# Allegro board CATALYSTK_260108.brd (continued)
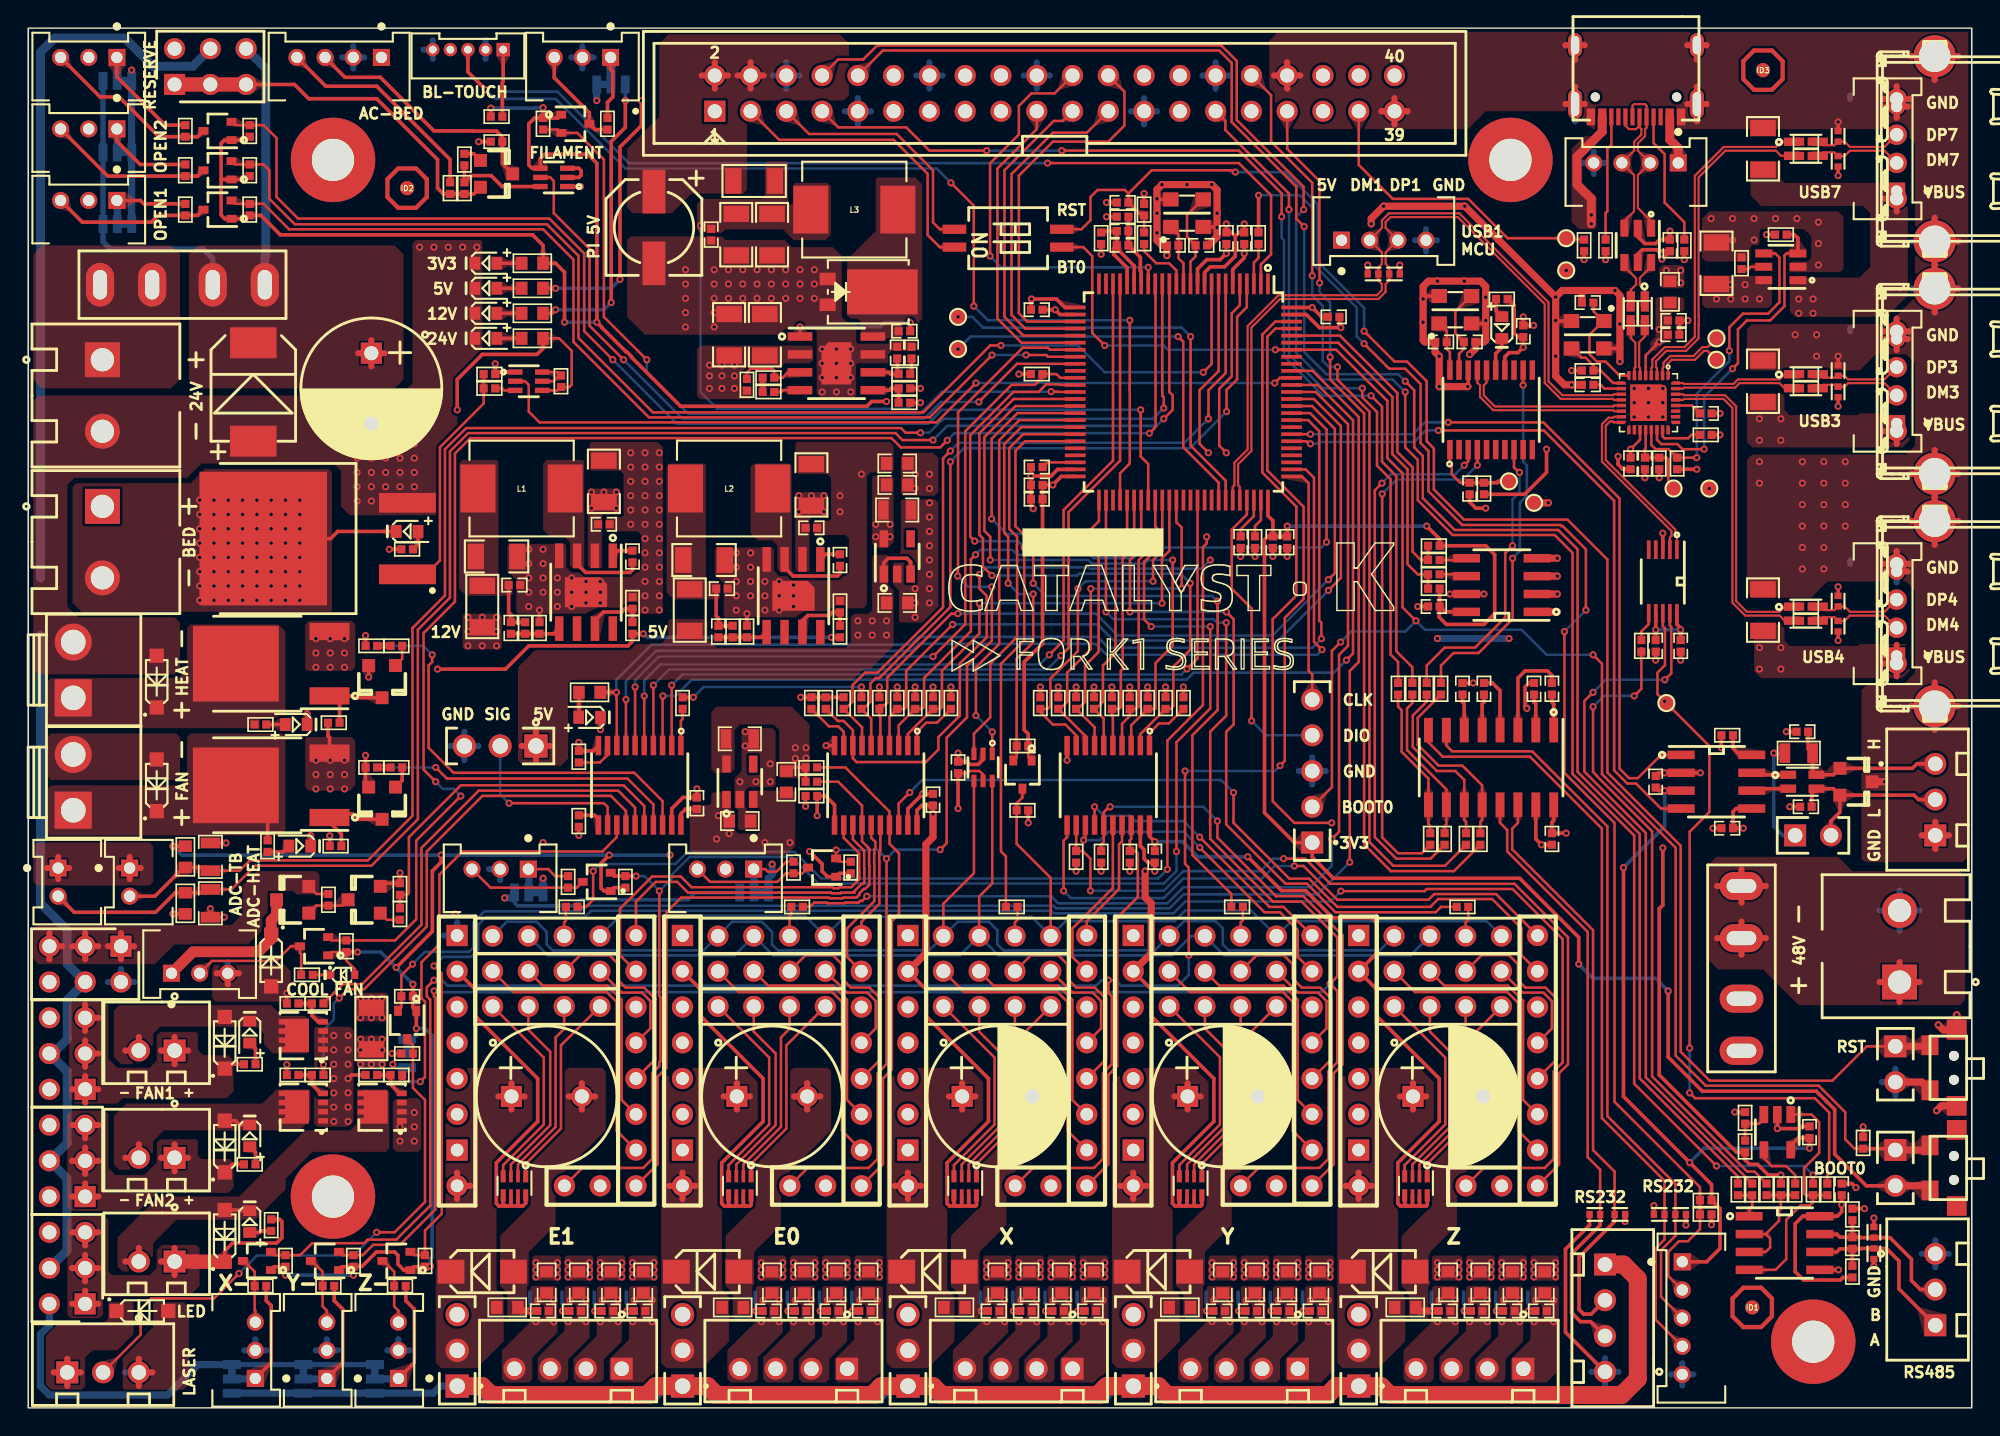
[diagram p0: board, top side]
## Routing (per net, layer and track width the routed paths; a pad name or vN(x,y) marks a point on that pad's centre or on a via; arc(x,y) is an arc through that point) (continued)
  vias: v1(21.7,26.44) v1(21.7,25.42) v1(21.7,24.41) v1(21.7,23.39) v1(21.7,22.37) v1(21.7,21.36) v1(21.7,20.34) v1(22.72,26.44) v1(22.72,25.42) v1(22.72,24.41) v1(22.72,22.37) v1(22.72,21.36) v1(22.72,20.34) v1(23.35,68.48) v1(23.35,67.46) v1(23.35,66.44) v1(23.35,65.43) v1(23.35,64.41) v1(24.37,68.48) v1(24.37,67.46) v1(24.37,66.44) v1(24.37,65.43) v1(24.37,64.41) v1(25.38,68.48) v1(25.38,67.46) v1(25.38,66.44) v1(25.38,65.43) v1(26.4,69.49) v1(26.4,68.48) v1(26.4,67.46) v1(26.4,66.44) v1(26.4,65.43) v1(26.4,19.96) v1(26.4,18.95) v1(27.41,68.48) v1(27.41,67.46) v1(27.41,66.44) v1(27.41,65.43) v1(27.41,20.98) v1(27.41,19.96) v1(27.41,18.95) v1(27.8,82.45) v1(28.81,82.45) v1(29.83,82.45) v1(30.34,35.07) v1(30.84,82.45) v1(31.86,82.45) v1(35.54,60.98) v1(35.54,59.97) v1(35.54,58.95) v1(35.54,57.93) v1(35.54,56.92) v1(36.56,60.98) v1(36.56,59.97) v1(36.56,58.95) v1(36.56,57.93) v1(37.57,58.95) v1(37.57,57.93) v1(37.57,56.92) v1(38.59,58.95) v1(38.59,57.93) v1(38.59,56.92) v1(39.61,58.7) v1(39.61,57.93) v1(39.61,57.17) v1(40.62,58.7) v1(40.62,57.93) v1(40.62,57.17) v1(42.78,67.84) v1(42.78,66.82) v1(42.78,65.81) v1(42.78,64.79) v1(42.78,63.78) v1(42.78,62.76) v1(43.8,67.84) v1(43.8,66.82) v1(43.8,65.81) v1(43.8,64.79) v1(43.8,63.78) v1(43.8,62.76) v1(43.8,61.74) v1(43.8,60.73) v1(43.8,59.71) v1(43.8,58.7) v1(43.8,57.68) v1(43.8,56.66) v1(44.81,67.84) v1(44.81,66.82) v1(44.81,65.81) v1(44.81,64.79) v1(44.81,63.78) v1(44.81,62.76) v1(44.81,61.74) v1(44.81,60.73) v1(44.81,59.71) v1(44.81,58.7) v1(44.81,57.68) v1(44.81,56.66) v1(46.67,80.84) v1(46.67,79.82) v1(46.67,78.81) v1(46.67,77.79) v1(46.67,76.78) v1(48.7,80.84) v1(48.7,79.82) v1(48.7,78.81) v1(48.7,77.79) v1(48.7,76.78) v1(49.72,80.84) v1(49.72,79.82) v1(49.72,78.81) v1(50.27,60.73) v1(50.27,59.71) v1(50.27,58.7) v1(50.27,57.68) v1(50.27,56.66) v1(50.53,44.47) v1(50.74,80.84) v1(50.74,79.82) v1(50.74,78.81) v1(50.91,48.03) v1(50.91,47.01) v1(51.29,60.73) v1(51.29,59.71) v1(51.29,58.7) v1(51.29,57.68) v1(51.67,44.47) v1(51.75,80.84) v1(51.75,79.82) v1(51.75,78.81) v1(52.31,58.7) v1(52.31,57.68) v1(52.31,56.66) v1(52.69,45.74) v1(52.69,44.47) v1(52.77,80.84) v1(52.77,79.82) v1(52.77,78.81) v1(53.32,58.7) v1(53.32,57.68) v1(53.32,56.66) v1(53.78,80.84) v1(53.78,79.82) v1(53.78,78.81) v1(54.34,58.44) v1(54.34,57.68) v1(54.34,56.92) v1(54.8,80.84) v1(54.8,79.82) v1(54.8,78.81) v1(55.82,80.84) v1(55.82,79.82) v1(55.82,78.81) v1(56.37,75.21) v1(56.37,74.19) v1(56.37,73.17) v1(56.37,72.16) v1(57.39,75.21) v1(57.39,74.19) v1(57.39,73.17) v1(57.39,72.16) v1(57.64,64.79) v1(57.64,63.65) v1(58.4,75.21) v1(58.4,74.19) v1(58.4,73.17) v1(58.4,72.16) v1(59.16,66.32) v1(62.97,58.19) v1(62.97,57.17) v1(62.97,56.16) v1(63.99,64.28) v1(63.99,63.27) v1(63.99,62.25) v1(63.99,61.24) v1(63.99,60.22) v1(63.99,59.2) v1(63.99,58.19) v1(63.99,57.17) v1(109.2,80.79) v1(114.03,72.41) v1(114.03,71.4) v1(114.03,70.38) v1(115.04,72.41) v1(115.04,71.4) v1(115.04,70.38) v1(116.06,72.41) v1(116.06,71.4) v1(116.06,70.38) v1(119.36,65.3) v1(119.49,84.48) v1(121.01,84.48) v1(121.01,82.95) v1(122.54,84.48) v1(122.54,82.95) v1(122.92,67.21) v1(122.92,65.68) v1(124.06,84.48) v1(125.46,76.22) v1(125.59,84.48) v1(125.97,67.21) v1(125.97,65.68) v1(125.97,64.16) v1(125.97,62.63) v1(125.97,61.11) v1(125.97,59.59) v1(126.98,76.22) v1(126.98,74.7) v1(127.11,84.22) v1(127.11,82.7) v1(127.11,81.18) v1(127.49,67.21) v1(127.49,65.68) v1(127.49,64.16) v1(127.49,62.63) v1(127.49,61.11) v1(127.49,59.59) v1(129.01,67.21) v1(129.01,65.68) v1(129.01,64.16) v1(129.01,62.63)
VBUS_OUT: length 7
  TOP w0.432: 131.76,85.89 J9.1 132.66,84.98 ; 131.76,69.38 J12.1 132.66,68.47 ; 132.66,54.2 J13.1 131.88,53.41 ; 132.66,51.96 J14.1 131.76,52.87
  vias: v1(122.92,70.25) v1(122.92,68.73) v1(122.92,54) v1(122.92,52.47) v1(124.44,70.25) v1(124.44,68.73) v1(124.44,54) v1(124.44,52.47) v1(125.71,78.76) v1(125.71,77.75) v1(126.73,78.76) v1(126.73,77.75)
VCCIO: length 217.8
  TOP w0.178: U6.5 67.8,44.98 67.54,45.24 66.86,45.24 66.7,45.08 66.7,45.08 C29.1
  TOP w0.254: R142.1 v1(76.18,38.12) ; 65.9,14.34 65.73,14.5 RN1.5 ; 65.9,14.34 66.15,14.34 ; 65.9,14.34 65.43,14.34 65.24,14.52 65.24,17.41 68.18,20.34 68.18,23.39 63.74,27.84 63.74,29.73 MD1.10 ; 66.15,14.34 66.91,14.34 ; 66.15,14.34 66.28,14.47 RN1.6 ; RN2.7 82.78,14.47 82.91,14.34 ; 66.91,14.34 67.25,14.34 67.33,14.41 RN1.8 ; 66.91,14.34 66.78,14.47 RN1.7 ; 33.89,14.34 33.42,14.34 33.24,14.52 33.24,17.41 36.18,20.34 36.18,23.39 31.73,27.84 31.73,29.73 MD4.10 ; 33.89,14.34 33.73,14.5 RN4.5 ; 33.89,14.34 34.15,14.34 ; RN3.5 49.73,14.5 49.89,14.34 ; RN5.8 99.33,14.41 99.26,14.34 98.92,14.34 ; v1(86.59,39.14) 88.99,36.74 90.7,36.74 92.63,34.81 95.37,34.81 95.74,34.44 95.74,32.29 MD5.10 95.74,29.73 95.74,27.84 100.19,23.39 100.19,20.34 97.25,17.41 97.25,14.52 97.43,14.34 97.9,14.34 ; RN5.6 98.29,14.47 98.15,14.34 ; U11.20 63.11,42.45 63.45,42.79 C32.1 v1(64.24,42.19) ; 50.15,14.34 50.28,14.47 RN3.6 ; 50.15,14.34 50.91,14.34 ; 50.15,14.34 49.89,14.34 ; RN4.6 34.28,14.47 34.15,14.34 ; 34.91,14.34 34.15,14.34 ; 34.91,14.34 35.12,14.34 35.33,14.54 RN4.8 ; 34.91,14.34 34.78,14.47 RN4.7 ; 98.92,14.34 98.78,14.47 RN5.7 ; 98.92,14.34 98.15,14.34 ; 50.91,14.34 51.25,14.34 51.33,14.41 RN3.8 ; 50.91,14.34 50.78,14.47 RN3.7 ; 81.9,14.34 81.73,14.5 RN2.5 ; 81.9,14.34 82.15,14.34 ; 81.9,14.34 81.43,14.34 81.25,14.52 81.25,17.41 84.18,20.34 84.18,23.39 79.74,27.84 79.74,29.73 MD2.10 ; R151.1 v1(74.4,38.12) ; C29.1 v1(66.02,42.57) ; 82.15,14.34 82.91,14.34 ; 82.15,14.34 82.28,14.47 RN2.6 ; 98.15,14.34 97.9,14.34 ; C30.1 v1(79.99,40.22) 79.62,40.59 U9.20 ; RN5.5 97.73,14.5 97.9,14.34 ; 82.91,14.34 83.26,14.34 83.33,14.41 RN2.8 ; FB1.2 54.09,45.49 R145.1 R148.1 ; 49.89,14.34 49.42,14.34 49.24,14.52 49.24,17.41 52.18,20.34 52.18,23.39 47.73,27.84 47.73,29.73 MD3.10 ; R20.1 v1(71.01,41.55) ; R139.1 v1(78.21,38.12)
  TOP w0.508: v1(64.24,42.19) 64.24,40.54 63.74,40.03 63.74,32.29 MD1.10 ; v1(79.31,38.12) 79.31,36.27 79.74,35.84 79.74,32.29 MD2.10
  ART02 w0.508: MD1.10 61.27,32.2 47.64,32.2 MD3.10 45.27,32.2 31.64,32.2 MD4.10
  BOTTOM w0.254: v1(86.59,39.14) 83.04,39.14 81.96,40.22 v1(79.99,40.22)
  vias: v1(54.47,46.89) v1(54.47,46.12) v1(55.23,46.89) v1(55.23,46.16)
VDD_3V3: length 45.8
  TOP w0.178: U12.19 114.44,68.77 v1(113.77,68.09) ; U12.5 114.84,74.75 115.55,75.46 115.55,75.59 115.68,75.71 v1(115.81,75.71) ; 117.06,56.43 U17.10
  TOP w0.254: 117.06,56.43 117.06,55.66 117.33,55.39 v1(117.33,55.27) C56.1 ; v1(107.81,68.09) 107.81,66.44 106.25,64.89 R157.1 ; C52.1 v1(113.77,68.09) ; R158.2 105.04,78.76 105.51,78.29 105.51,76.36 105.8,76.07 C85.1 v1(106.15,75.33) 105.77,74.95 105.15,74.95 104.84,74.65 U18.14 ; U17.7 v1(115.56,55.27) 115.55,55.26 C58.1 ; R67.2 v1(123.43,83.33) ; R69.1 v1(115.81,66.06)
  ART03 w0.254: 107.81,75.33 v1(107.81,68.09) ; v1(123.43,83.33) 123.43,80.67 123.81,80.29 123.81,78.64 121.78,76.6 116.31,76.6
  BOTTOM w0.254: v1(117.33,55.27) v1(115.56,55.27)
  vias: v1(115.81,76.6)
VDDA: length 8.6
  TOP w0.254: FB3.2 76.28,83.59 C44.1 C43.1 ; C43.1 77.29,82.35 78.52,81.12 U7.20 ; C43.1 77.07,82.35 77.07,81.94 78.02,80.99 U7.21
VSSA: length 5.3
  TOP w0.254: U7.19 79.02,80.72 78.97,80.77 78.97,81.72 78.12,82.57 C43.2 C44.2 FB4.2 78.21,84.7
1A_HV_STEPSTICK_DRIVER:
  vias: v1(72.63,10.31) v1(72.63,9.8) v1(72.63,9.29) v1(74.15,10.31) v1(74.15,9.8) v1(74.15,9.29)
1A_HV_STEPSTICK_DRIVER1:
  vias: v1(88.63,10.31) v1(88.63,9.8) v1(88.63,9.29) v1(90.15,10.31) v1(90.15,9.8) v1(90.15,9.29)
1A_STEPSTICK_DRIVER:
  vias: v1(104.63,10.31) v1(104.63,9.8) v1(104.63,9.29) v1(106.15,10.31) v1(106.15,9.8) v1(106.15,9.29)
1A_STEPSTICK_DRIVER1:
  vias: v1(56.62,10.31) v1(56.62,9.8) v1(56.62,9.29) v1(58.15,10.31) v1(58.15,9.8) v1(58.15,9.29)
1A_STEPSTICK_DRIVER2:
  vias: v1(40.62,10.31) v1(40.62,9.8) v1(40.62,9.29) v1(42.15,10.31) v1(42.15,9.8) v1(42.15,9.29)
1B_HV_STEPSTICK_DRIVER:
  vias: v1(74.91,10.31) v1(74.91,9.8) v1(74.91,9.29) v1(76.44,10.31) v1(76.44,9.8) v1(76.44,9.29)
1B_HV_STEPSTICK_DRIVER1:
  vias: v1(90.91,10.31) v1(90.91,9.8) v1(90.91,9.29) v1(92.44,10.31) v1(92.44,9.8) v1(92.44,9.29)
1B_STEPSTICK_DRIVER:
  vias: v1(106.92,10.31) v1(106.92,9.8) v1(106.92,9.29) v1(108.44,10.31) v1(108.44,9.8) v1(108.44,9.29)
1B_STEPSTICK_DRIVER1:
  vias: v1(58.91,10.31) v1(58.91,9.8) v1(58.91,9.29) v1(60.43,10.31) v1(60.43,9.8) v1(60.43,9.29)
1B_STEPSTICK_DRIVER2:
  vias: v1(42.91,10.31) v1(42.91,9.8) v1(42.91,9.29) v1(44.43,10.31) v1(44.43,9.8) v1(44.43,9.29)
2A_HV_STEPSTICK_DRIVER:
  vias: v1(70.34,10.31) v1(70.34,9.8) v1(70.34,9.29) v1(71.86,10.31) v1(71.86,9.8) v1(71.86,9.29)
2A_HV_STEPSTICK_DRIVER1:
  vias: v1(86.34,10.31) v1(86.34,9.8) v1(86.34,9.29) v1(87.87,10.31) v1(87.87,9.8) v1(87.87,9.29)
2A_STEPSTICK_DRIVER:
  vias: v1(102.34,10.31) v1(102.34,9.8) v1(102.34,9.29) v1(103.87,10.31) v1(103.87,9.8) v1(103.87,9.29)
2A_STEPSTICK_DRIVER1:
  vias: v1(54.34,10.31) v1(54.34,9.8) v1(54.34,9.29) v1(55.86,10.31) v1(55.86,9.8) v1(55.86,9.29)
2A_STEPSTICK_DRIVER2:
  vias: v1(38.34,10.31) v1(38.34,9.8) v1(38.34,9.29) v1(39.86,10.31) v1(39.86,9.8) v1(39.86,9.29)
2B_HV_STEPSTICK_DRIVER:
  vias: v1(68.05,10.31) v1(68.05,9.8) v1(68.05,9.29) v1(69.58,10.31) v1(69.58,9.8) v1(69.58,9.29)
2B_HV_STEPSTICK_DRIVER1:
  vias: v1(84.06,10.31) v1(84.06,9.8) v1(84.06,9.29) v1(85.58,10.31) v1(85.58,9.8) v1(85.58,9.29)
2B_STEPSTICK_DRIVER:
  vias: v1(100.06,10.31) v1(100.06,9.8) v1(100.06,9.29) v1(101.58,10.31) v1(101.58,9.8) v1(101.58,9.29)
2B_STEPSTICK_DRIVER1:
  vias: v1(52.05,10.31) v1(52.05,9.8) v1(52.05,9.29) v1(53.58,10.31) v1(53.58,9.8) v1(53.58,9.29)
2B_STEPSTICK_DRIVER2:
  vias: v1(36.05,10.31) v1(36.05,9.8) v1(36.05,9.29) v1(37.57,10.31) v1(37.57,9.8) v1(37.57,9.29)
BOOT0: length 132.4
  TOP w0.178: R51.1 129.68,18.41 129.01,19.07 129.01,21 127.13,22.88 119.11,22.88 116.97,25.02 116.97,39.78 111.74,45.01 111.74,52.85 v1(111.11,53.49) ; J4.2 92.57,44.09 92.57,53.77 v1(93.19,54.39) ; SW1.1 74.91,82.45 75.55,81.81 75.55,76.35 v1(76.44,75.46) ; v1(88.55,75.16) U7.94 92.87,75.16 96.5,71.52 96.5,67.46 97.58,66.38 97.58,56.86 v1(98.53,55.9)
  TOP w0.254: J6.1 132.48,18.41 R51.1
  TOP w0.508: J6.1 134.7,18.31 SW3.2
  BOTTOM w0.178: v1(111.11,53.49) 107.81,53.49 106.03,55.27 99.17,55.27 v1(98.53,55.9) 97.77,55.14 93.93,55.14 v1(93.19,54.39) ; v1(76.44,75.46) 80.63,75.46 80.93,75.16 v1(88.55,75.16)
BOOT1: length 53.2
  TOP w0.178: v1(43.09,51.2) U8.6 ; U7.36 73.28,73.16 73.01,73.43 R24.2 72.02,73.21 71.48,72.67 69.83,72.67 66.53,69.36 66.53,55.65 v1(64.24,53.36)
  BOTTOM w0.178: v1(64.24,53.36) 44.78,53.36 43.09,51.68 v1(43.09,51.2)
CAN_H: length 12.1
  TOP w0.254: J38.3 134.1,45.74 133.78,45.43 D30.1 128.18,44.97 L4.2 126.7,45.24 R114.2 126.38,46.82 C71.1
CAN_L: length 13.3
  TOP w0.254: J66.2 128,41.68 128.63,42.32 D30.2 ; J38.2 134.22,43.2 133.9,43.52 D30.2 ; C73.1 126.63,43.64 L4.4 128.18,43.98 D30.2
CGF0_HV_STEPSTICK_DRIVER: length 7.8
  TOP w0.178: MD1.5 76.18,26.95 76.18,28.9 75.58,29.49 74.15,29.49 73.31,30.33 73.29,30.33 J52.4
CGF0_HV_STEPSTICK_DRIVER1: length 7.8
  TOP w0.178: J55.4 90.15,29.49 91.58,29.49 92.18,28.9 92.18,26.95 MD2.5
CGF0_STEPSTICK_DRIVER: length 7.8
  TOP w0.178: MD5.5 108.19,26.95 108.19,28.89 107.59,29.49 106.12,29.49 J64.4
CGF0_STEPSTICK_DRIVER1: length 7.8
  TOP w0.178: J58.4 57.28,30.33 57.3,30.33 58.14,29.49 59.58,29.49 60.18,28.9 60.18,26.95 MD3.5
CGF0_STEPSTICK_DRIVER2: length 7.8
  TOP w0.178: J61.4 40.62,31.01 42.14,29.49 43.58,29.49 44.18,28.9 44.18,26.95 MD4.5
CH34T_XI: length 6.2
  TOP w0.178: U18.19 101.59,74.87 101.93,75.21 C60.1 101.93,75.72 101.33,76.32 101.33,77.88 102.43,78.98 Y3.3
CH34T_XO: length 3.6
  TOP w0.178: Y3.1 100.72,76.48 C50.1 100.72,75.21 100.94,74.99 U18.20
CH_RST: length 6.2
  TOP w0.178: U18.1 100.94,67.08 101.07,66.95 101.07,66.32 101.68,65.71 C59.1 R157.2
  TOP w0.254: T3.1 104.38,65.81 104.28,65.71 R157.2
CTR: length 17.9
  TOP w0.254: J24.3 22.49,94.51 25,94.51 28.81,90.7 31.55,90.7 31.57,90.69 33.26,90.69 33.67,90.28 R86.1 33.67,88.38 Q9.3
DC_5V: length 206.6
  TOP w0.254: C70.1 115.78,43.84 v1(116.19,43.84) U15.3 ; v1(126.47,18.44) C86.1 125.68,19.17 125.14,18.63 U19.5 ; J36.1 119.17,10.37 120.12,11.33 120.12,14.15 119.52,14.75 R159.2 119.52,15.87 v1(117.97,17.42) 113.27,22.12 v1(113.27,38.38) ; R11.2 v1(37.45,79.52) ; U5.3 62.65,60.08 62.38,60.35 61.07,60.35 60.75,60.03 U5.1 ; C28.1 46.69,42.54 46.34,42.19 U8.20 ; v1(43.54,92.86) 43.54,91.08 42.02,89.56 v1(42.02,80.16) ; D8.5 114.28,81.94 114.61,82.26 115.64,82.26 115.75,82.16 C48.1 v1(116,81.59)
  TOP w0.432: J30.1 36.05,48.02 ; J30.1 35.05,47.01 ; J30.1 36.05,46.01 ; J30.1 37.06,47.01
  TOP w0.635: J10.A4_B9 116.56,90.08 117.15,89.48 J8.1 ; v1(110.98,84.1) v1(110.98,84.73) 110.98,85.87 109.96,86.89 109.96,88.86 111.75,90.65 J10.B4_A9
  ART02 w0.432: J22.2 1.51,15.94 ; J22.2 1.51,14.07 ; J22.2 2.44,15.01 ; 1.51,6.45 J23.2 ; J23.2 1.51,8.32 ; J23.2 2.44,7.39 ; 1.51,21.69 J21.2 ; J21.2 2.44,22.63 ; J21.2 1.51,23.56 ; 6.59,29.32 J28.2 ; J28.2 5.66,30.25 ; J28.2 6.59,31.18
  ART03 w0.432: 92.46,82.94 J15.1 ; J15.1 93.25,82.15 ; J15.1 94.03,82.94 ; J15.1 93.25,83.72 ; J8.1 117.15,89.21 ; J8.1 117.15,87.65 ; J8.1 117.94,88.43 ; 29.97,97.13 J46.4 29.97,95.82 ; J24.1 25.08,96.71 ; J24.1 25.08,95.14 ; J24.1 24.3,95.92 ; J24.1 25.86,95.92 ; J20.2 11.33,96.54 ; J20.2 9.46,96.54 ; J20.2 10.39,95.61
  ART03 w0.508: v1(116.19,43.84) 112.89,43.84 108.57,48.16 106.28,48.16 105.14,49.3 v1(105.14,54.65) ; v1(36.56,37.61) v1(36.56,40.15) ; v1(52.82,38.62) 52.82,39.64 v1(52.31,40.15)
  BOTTOM w0.254: 40.75,94 JP15.3 ; v1(37.45,79.52) 41.38,79.52 v1(42.02,80.16) ; v1(113.27,38.38) 116.19,41.3 v1(116.19,43.84) ; v1(126.47,18.44) 118.98,18.44 v1(117.97,17.42) ; N3.2 JP9.3
  BOTTOM w0.381: JP13.3 JP11.3 JP8.3
  BOTTOM w0.432: J28.2 6.59,31.18 ; J28.2 5.66,30.25 ; J28.2 7.52,30.25 ; 36.05,46.01 J30.1 ; J30.1 36.05,48.02 ; J30.1 35.05,47.01 ; J30.1 37.06,47.01
  BOTTOM w0.508: v1(36.56,37.61) JP10.3 N4.2 ; N2.2 JP8.3 12.05,3.07 9.89,0.91 1.51,0.91 0.87,1.55 0.87,5.23 1.51,5.86 J23.2 ; JP16.3 v1(7.35,95.02) ; JP16.3 JP14.3 ; JP16.3 N10.2 ; JP9.3 52.56,37.62 52.82,37.88 v1(52.82,38.62) ; JP14.3 JP12.3 N6.2 ; JP14.3 N8.2 ; JP15.3 v1(40.37,92.86) ; v1(105.14,54.65) v1(100.06,54.65) ; N7.2 JP13.3 ; N5.2 JP11.3
  vias: v1(48.88,40.41) v1(49,42.06) v1(49.77,40.79) v1(54.08,40.15) v1(58.91,55.9) v1(58.91,54.89) v1(59.93,55.9) v1(59.93,54.89) v1(60.94,55.9) v1(60.94,54.89) v1(119.87,78.76) v1(120.89,79.78) v1(120.89,78.76) v1(121.9,79.78) v1(121.9,78.76) v1(122.92,78.76)
DEBUG_LED: length 74.8
  TOP w0.178: v1(91.82,54.63) 91.82,55.77 91.66,55.92 91.66,69.38 90.88,70.16 U7.84 ; U8.8 41.79,50.33 41.77,50.35 v1(41.77,50.82)
  TOP w0.254: R38.2 v1(41.77,50.82)
  BOTTOM w0.178: v1(41.77,50.82) 41.77,51.71 44.26,54.21 62.68,54.21 63.23,54.76 75.93,54.76 76.7,53.99 91.17,53.99 v1(91.82,54.63)
E0: length 83.1
  TOP w0.178: U7.32 72.54,75.16 72.4,75.3 70.61,75.3 66.02,70.71 66.02,59.58 66,59.55 v1(66,59.08) ; v1(68.42,58.32) 68.42,54.49 66.66,52.73 66.66,49.04 65.21,47.6 65.21,40.11 v1(64.75,39.65) ; MD3.19 55.35,17.04 59.67,17.04 60.31,17.68 60.31,23.77 60.94,24.41 v1(60.94,39.01) ; R120.2 57.6,38.79 Q18.2 v1(57.37,39.63)
  BOTTOM w0.178: v1(57.37,39.63) 60.33,39.63 v1(60.94,39.01) 61.58,39.65 v1(64.75,39.65) ; v1(66,59.08) 66.76,58.32 v1(68.42,58.32)
E1: length 101.5
  TOP w0.178: v1(79.74,55.5) 79.23,56 79.23,60.09 80.13,61 80.13,62.49 80.03,62.6 U7.59 ; MD4.19 39.34,17.04 43.67,17.04 44.31,17.68 44.31,23.77 44.81,24.28 44.81,24.55 44.89,24.62 44.89,29.19 44.81,29.26 v1(44.81,36.71) ; v1(83.93,55.5) 83.93,49.68 81.53,47.28 v1(81.53,39.52)
  TOP w0.254: Q20.2 41.6,37.77 R125.2 v1(43.16,37.77)
  BOTTOM w0.178: v1(79.74,55.5) v1(83.93,55.5) ; v1(81.53,39.52) 81.53,38.14 80.64,37.25 56.1,37.25 54.21,39.14 46.97,39.14 45.7,37.87 45.7,37.6 v1(44.81,36.71) 43.75,37.77 v1(43.16,37.77)
FAN_FB: length 10
  TOP w0.178: J29.2 13.05,31.75 17.61,31.75 18.65,32.79 Q13.3 19.31,32.29 19.38,32.22 R96.2
GPIO04: length 75.7
  TOP w0.178: J33.7 57.51,90.95 62.34,90.95 63.99,89.3 v1(68.05,89.3) ; v1(95.35,71.89) 96.12,71.11 96.12,67.2 97.14,66.19 97.14,53.74 98.28,52.6 R166.2 ; v1(73.39,89.3) 85.96,89.3 89,86.27 v1(89,84.6)
  BOTTOM w0.178: v1(89,84.6) 89,83.09 89.16,82.93 89.16,74.67 91.94,71.89 v1(95.35,71.89) ; v1(68.05,89.3) v1(73.39,89.3)
GPIO05: length 47.6
  TOP w0.178: v1(89.52,85.11) 89.52,86.25 85,90.77 85,91.41 J33.29 ; v1(94.72,72.43) 94.72,71.78 95.77,70.73 95.77,66.92 96.73,65.96 96.73,53.52 97.26,52.98 R168.2
  BOTTOM w0.178: v1(89.52,85.11) 89.52,74.83 91.92,72.43 v1(94.72,72.43)
GPIO12: length 66.5
  TOP w0.178: R170.1 102.09,40 100.59,38.5 96.92,38.5 95.23,40.19 95.23,70.76 92.96,73.04 v1(92.96,73.94) ; J33.32 88.25,93.24 88.25,89.94 91.17,87.02 v1(91.17,80.41)
  BOTTOM w0.178: v1(91.17,80.41) 91.17,79.02 91.92,78.27 91.92,74.36 92.34,73.94 v1(92.96,73.94)
GPIO13: length 64.2
  TOP w0.178: v1(92.44,74.64) 92.44,73.05 94.85,70.64 94.85,40.03 96.76,38.12 101.23,38.12 103.1,40 R169.2 ; v1(91.69,79.91) 91.69,81.39 91.68,81.41 91.68,87.14 89.39,89.43 J33.33
  BOTTOM w0.178: v1(92.44,74.64) 92.44,78.51 91.69,79.26 v1(91.69,79.91)
GPIO26: length 22
  TOP w0.178: R167.2 109.3,82.98 T6.1 105.04,83.08 102.24,85.87 96.88,85.87 94.47,88.29 J33.37
HUB_RST: length 5.9
  TOP w0.178: U12.20 114.84,68.15 114.79,68.09 C51.1 R69.2 116.31,67.49 116.44,67.36 116.44,65.68 T1.1
J_1A_HV_STEPSTICK_DRIVER:
  vias: v1(72.63,6.12) v1(72.75,7.64) v1(73.9,7.64) v1(73.9,6.12)
J_1A_HV_STEPSTICK_DRIVER1:
  vias: v1(88.63,6.12) v1(88.76,7.64) v1(89.9,7.64) v1(89.9,6.12)
J_1A_STEPSTICK_DRIVER:
  vias: v1(104.63,6.12) v1(104.76,7.64) v1(105.9,7.64) v1(105.9,6.12)
J_1A_STEPSTICK_DRIVER1:
  vias: v1(56.62,6.12) v1(56.75,7.64) v1(57.89,7.64) v1(57.89,6.12)
J_1A_STEPSTICK_DRIVER2:
  vias: v1(40.62,6.12) v1(40.75,7.64) v1(41.89,7.64) v1(41.89,6.12)
J_1B_HV_STEPSTICK_DRIVER:
  vias: v1(74.91,6.12) v1(75.04,7.64) v1(76.31,7.64) v1(76.31,6.12)
J_1B_HV_STEPSTICK_DRIVER1:
  vias: v1(90.91,6.12) v1(91.04,7.64) v1(92.31,7.64) v1(92.31,6.12)
J_1B_STEPSTICK_DRIVER:
  vias: v1(106.92,6.12) v1(107.04,7.64) v1(108.31,7.64) v1(108.31,6.12)
J_1B_STEPSTICK_DRIVER1:
  vias: v1(58.91,6.12) v1(59.04,7.64) v1(60.31,7.64) v1(60.31,6.12)
J_1B_STEPSTICK_DRIVER2:
  vias: v1(42.91,6.12) v1(43.04,7.64) v1(44.31,7.64) v1(44.31,6.12)
J_2A_HV_STEPSTICK_DRIVER:
  vias: v1(70.34,6.12) v1(70.47,7.64) v1(71.61,7.64) v1(71.61,6.12)
J_2A_HV_STEPSTICK_DRIVER1:
  vias: v1(86.34,6.12) v1(86.47,7.64) v1(87.61,7.64) v1(87.61,6.12)
J_2A_STEPSTICK_DRIVER:
  vias: v1(102.34,6.12) v1(102.47,7.64) v1(103.61,7.64) v1(103.61,6.12)
J_2A_STEPSTICK_DRIVER1:
  vias: v1(54.34,6.12) v1(54.47,7.64) v1(55.61,7.64) v1(55.61,6.12)
J_2A_STEPSTICK_DRIVER2:
  vias: v1(38.34,6.12) v1(38.46,7.64) v1(39.61,7.64) v1(39.61,6.12)
J_2B_HV_STEPSTICK_DRIVER:
  vias: v1(68.05,6.12) v1(68.18,7.64) v1(69.32,7.64) v1(69.32,6.12)
J_2B_HV_STEPSTICK_DRIVER1:
  vias: v1(84.06,6.12) v1(84.18,7.64) v1(85.33,7.64) v1(85.33,6.12)
J_2B_STEPSTICK_DRIVER:
  vias: v1(100.06,6.12) v1(100.19,7.64) v1(101.33,7.64) v1(101.33,6.12)
J_2B_STEPSTICK_DRIVER1:
  vias: v1(52.05,6.12) v1(52.18,7.64) v1(53.32,7.64) v1(53.32,6.12)
J_2B_STEPSTICK_DRIVER2:
  vias: v1(36.05,6.12) v1(36.18,7.64) v1(37.32,7.64) v1(37.32,6.12)
JK_DM3: length 6.7
  TOP w0.152: L7.4 127.46,72.67 128.37,72.67 ED4.1 128.97,72.53 129.22,72.79 131.8,72.79 J12.2
  TOP w0.178: R174.1 126.64,72.43 L7.4
JK_DM4: length 6.8
  TOP w0.152: J13.2 131.8,56.28 129.34,56.28 128.97,55.9 ED6.1 128.25,56.16 127.46,56.16 L8.4
  TOP w0.178: L8.4 126.64,55.92 R176.1
JK_DM7: length 6.8
  TOP w0.152: J9.2 131.8,89.3 129.34,89.3 128.97,88.92 ED2.1 128.25,89.18 127.46,89.18 L6.4
  TOP w0.178: R172.1 126.64,88.94 L6.4
JK_DP3: length 6.7
  TOP w0.152: J12.3 131.8,73.05 129.22,73.05 128.96,73.31 ED3.1 128.37,73.17 127.46,73.17 L7.2
  TOP w0.178: L7.2 126.64,73.42 R175.1
JK_DP4: length 6.8
  TOP w0.152: L8.2 127.46,56.66 128.25,56.66 ED5.1 128.96,56.92 129.34,56.54 131.8,56.54 J13.3
  TOP w0.178: R177.1 127.21,56.92 L8.2
JK_DP7: length 6.8
  TOP w0.152: L6.2 127.46,89.68 128.25,89.68 ED1.1 128.96,89.94 129.34,89.56 131.8,89.56 J9.3
  TOP w0.178: L6.2 126.64,89.93 R173.1
MS1_HV_STEPSTICK_DRIVER: length 20.8
  TOP w0.178: J52.1 66.46,29.53 73.09,29.53 73.78,28.84 73.78,19.69 MD1.2
MS1_HV_STEPSTICK_DRIVER1: length 20.8
  TOP w0.178: MD2.2 89.78,19.69 89.78,28.84 89.09,29.53 82.49,29.53 J55.1
MS1_STEPSTICK_DRIVER: length 20.8
  TOP w0.178: J64.1 98.46,29.53 105.02,29.53 105.79,28.77 105.79,19.69 MD5.2
MS1_STEPSTICK_DRIVER1: length 20.8
  TOP w0.178: MD3.2 57.78,19.69 57.78,28.84 57.09,29.53 50.46,29.53 J58.1
MS1_STEPSTICK_DRIVER2: length 20.8
  TOP w0.178: J61.1 34.46,29.53 41.08,29.53 41.78,28.84 41.78,19.69 MD4.2
MS2_HV_STEPSTICK_DRIVER: length 16
  TOP w0.178: J52.2 68.54,29.99 73.13,29.99 74.14,28.99 74.14,21.87 MD1.3
MS2_HV_STEPSTICK_DRIVER1: length 16
  TOP w0.178: MD2.3 90.14,21.87 90.14,28.99 89.13,29.99 84.57,29.99 J55.2
MS2_STEPSTICK_DRIVER: length 16
  TOP w0.178: MD5.3 106.14,21.87 106.14,28.92 105.06,29.99 100.54,29.99 J64.2
MS2_STEPSTICK_DRIVER1: length 16
  TOP w0.178: MD3.3 58.14,21.87 58.14,28.99 57.13,29.99 52.53,29.99 J58.2
MS2_STEPSTICK_DRIVER2: length 16
  TOP w0.178: J61.2 36.53,29.99 41.13,29.99 42.13,28.99 42.13,21.87 MD4.3
MS3_HV_STEPSTICK_DRIVER: length 15.1
  TOP w0.178: J52.3 71.2,32.15 73.13,32.15 73.77,31.52 73.77,30.5 74.42,29.85 75.73,29.85 76.54,29.04 76.54,24.77 MD1.4
MS3_HV_STEPSTICK_DRIVER1: length 15
  TOP w0.178: J55.3 87.23,32.15 89.13,32.15 89.77,31.52 89.77,30.5 90.43,29.85 91.73,29.85 92.54,29.04 92.54,24.77 MD2.4
MS3_STEPSTICK_DRIVER: length 15.1
  TOP w0.178: J64.3 103.2,32.15 105.14,32.15 105.77,31.52 105.77,30.38 106.3,29.85 107.73,29.85 108.54,29.04 108.54,24.77 MD5.4
MS3_STEPSTICK_DRIVER1: length 15.1
  TOP w0.178: MD3.4 60.53,24.77 60.53,29.04 59.73,29.85 58.42,29.85 57.77,30.5 57.77,31.52 57.13,32.15 55.2,32.15 J58.3
MS3_STEPSTICK_DRIVER2: length 15.1
  TOP w0.178: MD4.4 44.53,24.77 44.53,29.04 43.73,29.85 42.42,29.85 41.89,30.38 41.89,31.52 41.26,32.15 39.19,32.15 J61.3
